# Allegro board A733_PRO2_AXP318_LPDDR4_4X_200BALL_32X1_V1_1.brd (continued)
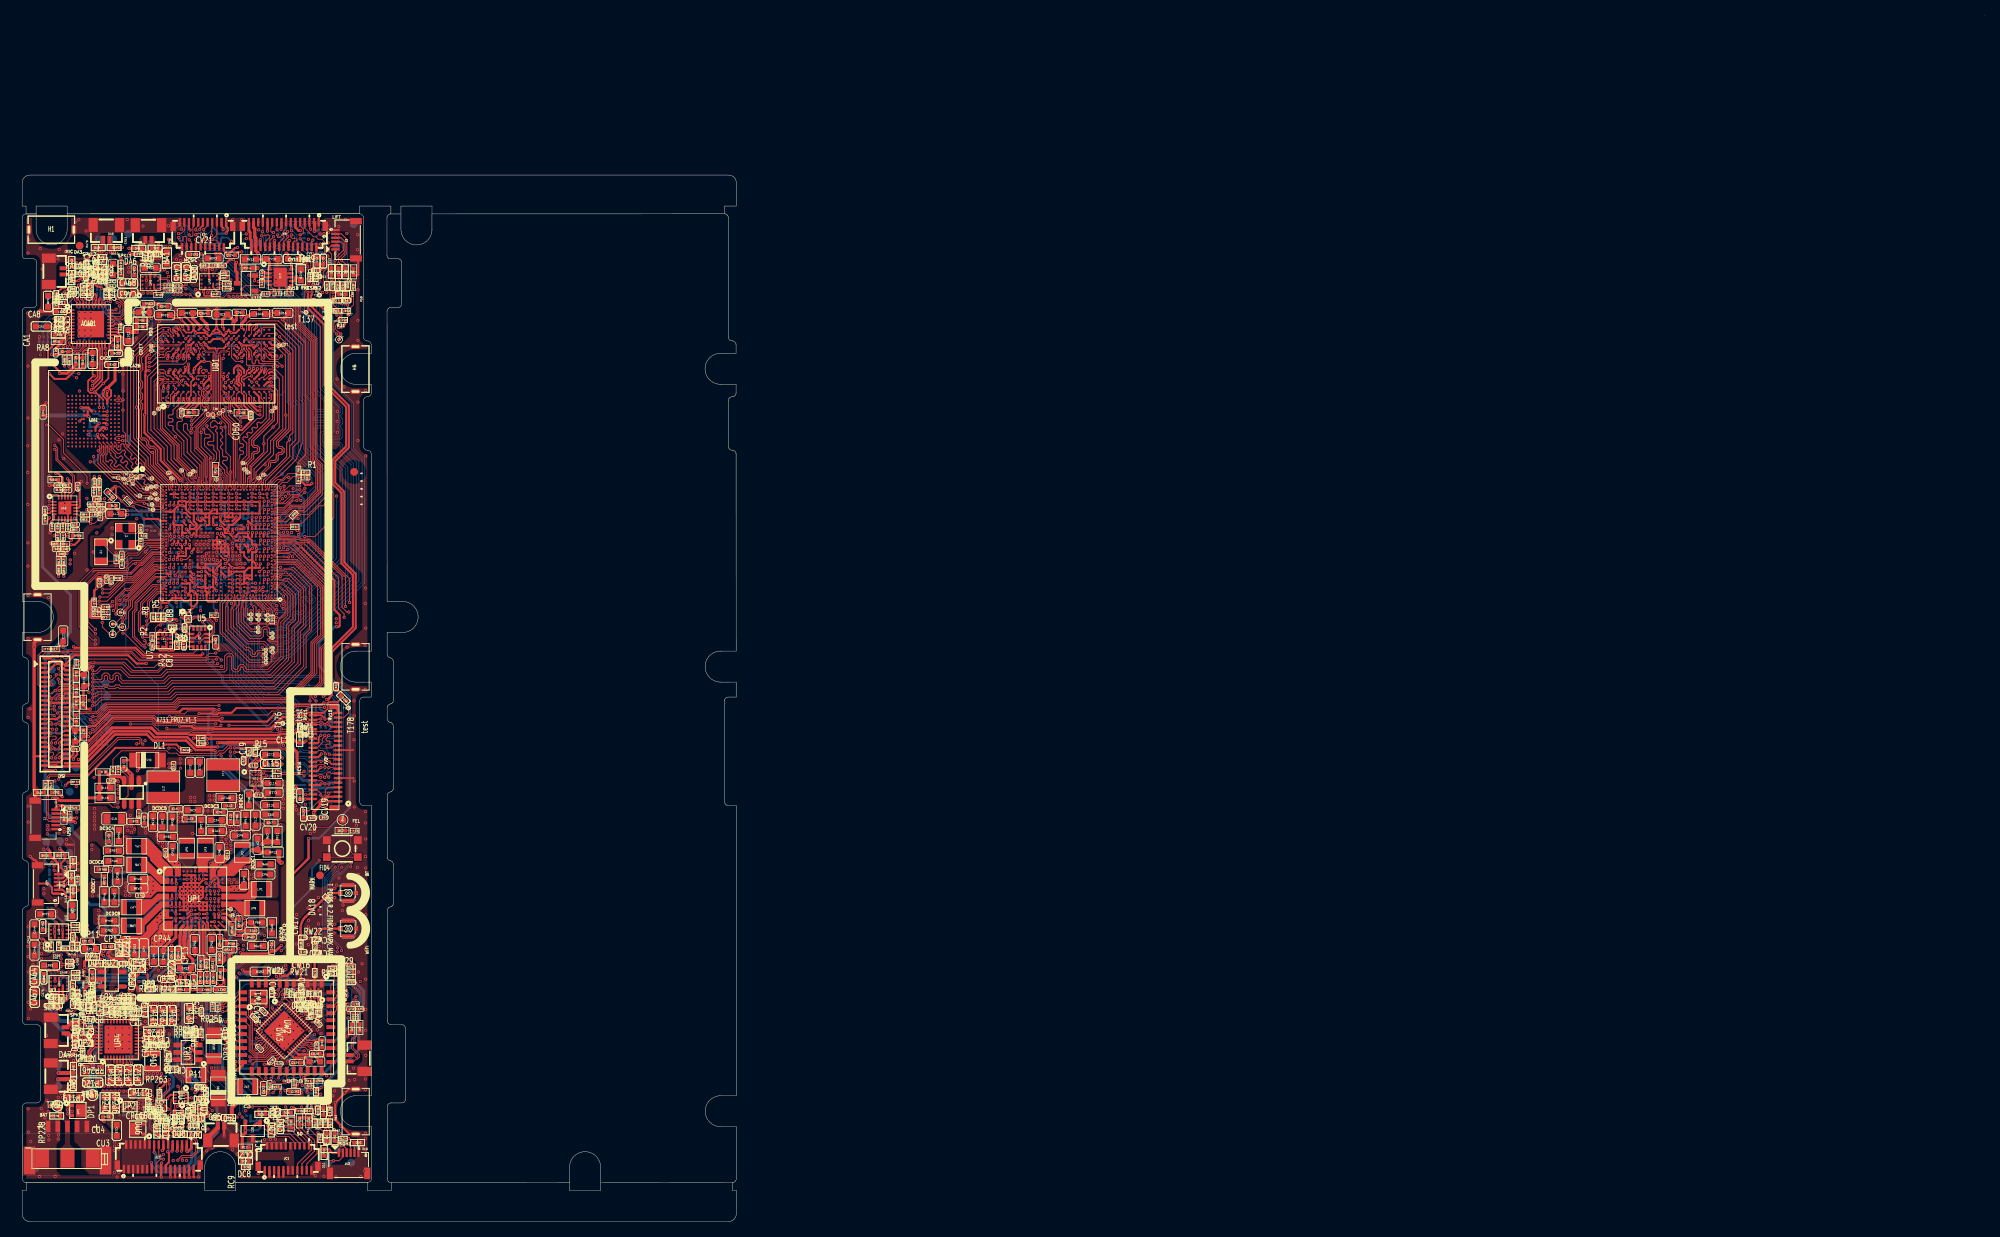
[diagram p0: board, top side]
## Routing (per net, layer and track width the routed paths; a pad name or vN(x,y) marks a point on that pad's centre or on a via; arc(x,y) is an arc through that point) (continued)
  BOTTOM w0.114: TP30.1 38.64,124.73 39.17,125.26 v1(39.45,125.26)
POWKEY-1: length 6.6
  TOP w0.114: J12.2 41.35,8.34 40.86,7.85 40.15,7.85 v1(40.14,7.83) 40.12,7.85 39.57,7.85 D11.2 38.44,8.99 R53.2
  BOTTOM w0.254: v1(40.14,7.83) 39.72,7.42 TP52.1
PS: length 0
  TOP w0.254: 24.83,44.67 UP1.B13
  vias: v1(2.8,42.94) v1(2.8,42.3) v1(7.02,123.72) v1(7.59,123.72) v1(13.53,36.63) v1(13.53,36.1) v1(16.34,43.85) v1(16.31,43.29) v1(16.3,42.72) v1(16.56,42.21) v1(16.89,43.86) v1(16.89,43.29) v1(16.86,42.72) v1(17.42,39.21) v1(17.42,38.61) v1(17.85,39.64) v1(17.93,38.93) v1(18.39,39.82) v1(18.37,39.26) v1(18.42,125.81) v1(19.02,125.79) v1(19.15,46.4) v1(19.67,46.2) v1(19.74,45.68) v1(20.18,46.21) v1(20.28,45.64) v1(21.23,21.39) v1(21.24,20.88) v1(21.21,20.35) v1(21.72,54.72) v1(21.72,54.22) v1(21.75,21.37) v1(21.76,20.87) v1(21.73,20.33) v1(22,37.18) v1(22.25,54.71) v1(22.26,54.16) v1(22.32,37.62) v1(24.24,37.12) v1(24.33,46.19) v1(24.33,45.64) v1(24.76,37.15) v1(24.86,46.37) v1(24.91,45.63) v1(25.31,46) v1(26.11,46.57) v1(26.93,43.11) v1(27.35,42.74) v1(27.67,43.18) v1(27.91,42.74) v1(28.11,123.48) v1(28.28,122.99)
RESET-KEY: length 10.6
  TOP w0.114: R28.2 42.3,121.32 42.3,122.47 42.71,122.88 D4.2 42.14,123.52 41.69,123.52 v1(41.18,124.03) 41.18,124.26 41.86,124.94 41.86,126.72 41.16,127.42 J2.5
  BOTTOM w0.102: TP33.1 41.18,123.1 v1(41.18,124.03)
RESET-KEY-1: length 4.1
  TOP w0.102: R52.2 42.1,10.69 v1(42.11,10.7)
  TOP w0.127: v1(42.11,10.7) 42.64,10.17 D10.2 42.85,10.12 J12.5
  BOTTOM w0.102: v1(42.11,10.7) 42.93,9.88 TP54.1
RTC-VIO: length 4.6
  TOP w0.114: U1.1P23 20.24,88.23 20.24,88.36 v1(20.19,88.41)
  L4 w0.178: v1(17.13,89.11) 17.43,88.81 19.8,88.81 v1(20.19,88.41)
  BOTTOM w0.254: C40.1 17.12,89.12 v1(17.13,89.11)
RTCLDO-BMU: length 2.2
  TOP w0.203: CP129.2 9.08,24.09 UP4.34
  TOP w0.305: RP19.1 8.72,24.46 CP129.2
RTCLDO-PMU: length 6.1
  TOP w0.254: v1(27.74,39.61) 27.96,39.39 CP2.2 27.13,38.98 26.44,39.67 UP1.M15
  BOTTOM w0.305: v1(27.74,39.61) 27.91,39.78 TP56.1 27.91,41.36 RP55.1
SBU2: length 2.4
  TOP w0.254: UU2.A3 UU2.B3 23.25,13.42 DU10.2
  TOP w0.305: DU10.2 23.08,13.03 RU10.1
SCA0-A: length 16.8
  TOP w0.114: v1(23.63,93.46) 23.74,93.35 U1.1AE16 ; UD1.H2 22.75,106.7 23.02,106.43 23.02,104.84 22.82,104.64 22.82,104.23 21.9,103.31 v1(21.83,103.31)
  L4 w0.076: v1(23.63,93.46) 23.3,93.78 23.3,94.29 23.48,94.47
  L4 w0.114: 23.48,94.47 23.82,94.81 23.82,95.37 23.52,95.68 23.52,96.97 21.37,99.12 21.23,99.12 20.99,99.36 20.99,102.55 21.01,102.58 21.01,102.62 21.71,103.31 v1(21.83,103.31)
SCA0-B: length 15.4
  TOP w0.114: UD1.R2 27.3,106.78 26.96,106.43 26.96,106.15 27.07,106.03 27.07,105.25 27.38,104.94 27.38,103.93 v1(28.16,103.15) ; v1(25.63,93.97) 25.74,93.85 U1.1AF12
  L4 w0.114: v1(25.63,93.97) 25.63,93.97 25.63,94.84 25.89,95.11 25.89,96.43 26.08,96.62 26.08,97.73 26.11,97.77 26.11,99.45 27.33,100.66 27.33,101.95 27.74,102.37 27.74,102.78 27.99,103.02 28.04,103.02 v1(28.16,103.15)
SCA1-A: length 16.8
  TOP w0.114: UD1.J2 23.4,106.7 23.71,106.4 23.71,106.14 23.47,105.9 23.47,105.57 23.61,105.43 23.89,105.43 24.07,105.25 24.07,104.9 23.86,104.69 23.75,104.69 23.29,104.23 23.29,104.22 23.13,104.06 23.13,104.04 21.98,102.88 21.92,102.88 v1(21.82,102.78) ; U1.1AF16 23.74,93.85 v1(23.63,93.97)
  L4 w0.114: v1(23.63,93.97) 24.08,94.42 24.08,95.55 23.77,95.85 23.77,97.15 21.41,99.51 21.41,102.37 v1(21.82,102.78)
SCA1-B: length 16.1
  TOP w0.114: U1.1AE12 25.74,93.35 v1(25.63,93.46) ; UD1.P2 26.65,106.64 26.38,106.37 26.38,106.1 26.64,105.84 26.64,104 28.05,102.6 v1(28.17,102.6)
  L4 w0.076: 25.96,94.7 25.96,93.79 v1(25.63,93.46)
  L4 w0.114: 25.96,94.7 26.13,94.87 26.13,96.29 26.31,96.47 26.31,97.44 26.49,97.62 26.49,99.22 27.74,100.48 27.74,101.78 28.17,102.2 v1(28.17,102.6)
SCA2-A: length 25.2
  TOP w0.102: UD1.H9 22.75,112.79 v1(22.47,113.08)
  TOP w0.114: U1.1AB16 23.71,91.85 v1(23.63,91.94)
  L4 w0.076: v1(23.63,91.94) 22.96,92.6 22.96,94.25 22.81,94.41
  L4 w0.114: v1(22.47,113.08) 23.08,112.46 23.08,110.83 22.6,110.35 22.6,109.85 22.33,109.58 22.33,109.15 21.58,108.4 21.58,108.06 21.2,107.68 21.2,105.37 20.12,104.29 20.12,99.34 22.92,96.54 22.92,95.61 22.81,95.5 22.81,94.41
SCA2-B: length 22.8
  TOP w0.102: v1(27.71,112.26) 27.7,112.26 UD1.R9
  TOP w0.114: v1(26.63,93.46) 26.74,93.35 U1.1AE10
  L4 w0.114: v1(27.71,112.26) 28.08,111.89 28.51,111.89 28.75,111.65 28.75,109.39 29.23,108.91 29.23,108.16 30.09,107.31 30.09,106.79 30.37,106.51 30.37,105.49 30.09,105.2 30.09,101.51 29.56,100.98 29.56,99.82 28,98.27 28,96.16 27.24,95.4 27.24,94.08 v1(26.63,93.46)
SCA3-A: length 24.8
  TOP w0.114: v1(23.08,113.13) 23.06,113.15 UD1.H10 ; U1.1AC16 23.72,92.35 v1(23.63,92.45)
  L4 w0.076: 23.13,94.56 23.13,92.94 v1(23.63,92.45)
  L4 w0.114: 23.13,94.56 23.06,94.63 23.06,95.39 23.21,95.54 23.21,96.77 20.54,99.44 20.54,103.91 21.63,105.01 21.63,107.52 21.99,107.87 21.99,108.21 22.01,108.24 22.01,108.24 22.75,108.98 22.75,108.99 22.76,109 22.76,109.41 23.55,110.2 23.56,110.2 23.86,110.5 23.86,111.42 23.67,111.61 23.67,112.47 23.08,113.06 v1(23.08,113.13)
SCA3-B: length 23
  TOP w0.114: U1.1AF10 26.74,93.85 v1(26.63,93.97) ; UD1.R10 27.01,113.16 27.01,111.47 27.52,110.96 v1(28.33,110.96)
  L4 w0.114: v1(26.63,93.97) 26.97,94.31 26.97,95.6 27.67,96.3 27.67,98.6 29.1,100.04 29.1,101.23 29.64,101.77 29.64,107.12 28.82,107.95 28.82,108.74 28.33,109.22 v1(28.33,110.96)
SCA4-A: length 23.2
  TOP w0.102: UD1.H11 v1(23.08,113.93)
  TOP w0.114: v1(24.63,93.46) 25.01,93.46 U1.1AE14
  L4 w0.076: v1(24.63,93.46) 24.97,93.8 24.97,94.18 24.85,94.3
  L4 w0.114: 24.85,94.3 24.59,94.56 24.59,95.75 24.31,96.03 24.31,97.48 23.85,97.94 23.85,101.9 24.24,102.3 24.24,104 24.24,104 24.24,104.42 24.61,104.79 24.61,111.42 24.14,111.9 24.14,113.2 23.83,113.51 23.49,113.51 v1(23.08,113.93)
SCA4-B: length 24.9
  TOP w0.102: v1(26.95,113.84) 26.95,113.9 UD1.R11
  TOP w0.114: v1(26.63,92.45) 26.72,92.35 U1.1AC10
  L4 w0.076: 26.53,94.41 26.29,94.17 26.29,92.78 v1(26.63,92.45)
  L4 w0.114: v1(26.95,113.84) 26.74,113.63 26.74,110.13 28.4,108.48 28.4,107.77 29.17,107 29.17,101.94 28.6,101.37 28.6,100.15 28.58,100.14 28.58,100.13 28.16,99.71 28.16,99.69 27.35,98.88 27.35,96.44 26.69,95.78 26.69,94.57 26.53,94.41
SCA5-A: length 24
  TOP w0.114: v1(24.63,92.45) 24.72,92.35 U1.1AC14 ; UD1.J11 23.75,113.91 v1(23.76,113.91)
  L4 w0.076: 25,94.54 25.12,94.42 25.12,92.94 v1(24.63,92.45)
  L4 w0.114: v1(23.76,113.91) 24.03,113.91 24.56,113.38 24.56,112.19 25.03,111.72 25.03,104.62 24.66,104.24 24.66,101.99 24.38,101.71 24.38,99.11 24.66,98.83 24.66,97.8 24.61,97.76 24.61,96.1 24.87,95.84 24.87,94.67 25,94.54
SCA5-B: length 25.6
  TOP w0.102: v1(26.27,113.88) UD1.P11
  TOP w0.114: U1.1AB10 26.71,91.85 v1(26.63,91.94)
  L4 w0.076: 26.24,94.52 26.11,94.39 26.11,92.45 v1(26.63,91.94)
  L4 w0.114: 26.24,94.52 26.4,94.68 26.4,96.19 26.54,96.33 26.54,97.16 26.87,97.5 26.87,99.01 28.16,100.3 28.16,101.54 28.71,102.08 28.71,106.86 28.05,107.53 28.05,107.56 27.98,107.63 27.98,108.3 26.32,109.96 26.32,112.54 25.96,112.9 25.96,113.3 26.27,113.62 v1(26.27,113.88)
SCKE0-A: length 18.6
  TOP w0.114: v1(21.78,101.77) 21.75,101.77 21.32,102.2 21.32,102.82 21.2,102.93 20.92,102.93 20.81,102.82 20.81,102.06 21.75,101.12 21.75,99.33 23.17,97.9 23.17,95.58 23.11,95.52 23.11,95.07 U1.AU24 ; UD1.J4 23.4,108.55 v1(23.11,108.25)
  L4 w0.114: v1(21.78,101.77) 21.87,101.77 22.43,102.33 22.43,107.55 23.11,108.24 v1(23.11,108.25)
SCKE0-B: length 18.5
  TOP w0.076: 26.41,95.06 26.34,94.99 26.34,94.64 U1.AT16
  TOP w0.114: v1(25.59,103.04) 25.53,102.97 25.23,102.97 24.87,103.33 24.61,103.33 24.29,103 24.29,102.6 24.45,102.44 24.63,102.44 24.82,102.64 25,102.64 25.15,102.49 25.15,102.31 24.95,102.12 24.95,101.94 25.15,101.74 25.15,99.66 25.45,99.36 25.45,97.61 26.11,96.95 26.11,96.52 26.41,96.21 26.41,95.06 ; v1(26.21,108.25) 26.62,108.65 UD1.P4
  L4 w0.114: v1(26.21,108.25) 26,108.25 25.87,108.12 25.87,104.63 26,104.5 26.06,104.5 26.18,104.37 26.18,104.17 26.06,104.04 26,104.04 25.87,103.91 25.87,103.78 25.59,103.5 v1(25.59,103.04)
SCKE1-A: length 18.9
  TOP w0.114: v1(23.41,102.24) 23.53,102.13 23.53,101.69 23.65,101.56 24.11,101.56 24.24,101.43 24.24,101.23 24.11,101.1 23.63,101.1 23.5,100.98 23.5,100.11 24.73,98.89 24.73,98.39 24.32,97.98 24.32,95.06 U1.AU21 ; UD1.J5 23.23,109.45 23.13,109.55 23.13,109.75 23.32,109.94 23.56,109.94 v1(23.72,109.78)
  L4 w0.114: v1(23.72,109.78) 23.13,109.19 23.13,108.9 23.72,108.32 23.72,108.14 23.36,107.78 23.36,102.3 v1(23.41,102.24)
SCKE1-B: length 17.3
  TOP w0.102: v1(26.45,109.04) 26.45,109.25 UD1.P5
  TOP w0.114: v1(25.65,102.46) 25.65,102.34 25.85,102.15 25.85,101.97 25.61,101.73 25.61,101.6 25.85,101.36 25.85,101.18 25.57,100.9 25.57,100.74 25.85,100.46 25.85,100.29 25.57,100.01 25.57,99.83 25.85,99.55 25.85,98.79 25.98,98.66 26.35,98.66 26.47,98.54 26.47,98.33 26.35,98.21 25.98,98.21 25.85,98.08 25.85,97.85 26.41,97.29 26.41,96.64 26.69,96.36 26.69,94.91 U1.AU16
  L4 w0.114: v1(26.45,109.04) 26.59,108.89 26.59,107.18 26.66,107.12 26.66,105.48 26.65,105.48 26.65,104.51 26.64,104.5 26.64,103.8 26.08,103.23 26.08,102.95 25.65,102.53 v1(25.65,102.46)
SCKN-A: length 21.1
  TOP w0.076: 24.87,111.81 24.87,111.83 24.82,111.88 24.82,112.12 24.64,112.31 23.69,112.31 23.57,112.43 23.56,112.43 23.4,112.59 UD1.J9 ; 23.85,96.06 23.85,96.04 23.79,95.99 23.79,95.6 23.93,95.46 23.93,94.7 24.17,94.46 U1.AT22
  TOP w0.127: 24.87,111.81 24.87,104.55 24.51,104.18 ; 24.51,104.18 24.59,104.11 T35.1 ; 24.51,104.18 22.68,102.35 22.68,99.86 23.85,98.69 23.85,96.06
SCKN-B: length 20.4
  TOP w0.076: 27.23,96 27.23,95.99 27.28,95.93 27.28,95.66 27.12,95.5 27.12,95.04 27.22,94.94 27.22,94.71 27.15,94.63 27.15,94.57 U1.AT15 ; 25.29,111.72 25.29,111.74 25.34,111.79 25.34,112.03 25.64,112.33 26.33,112.33 UD1.P9
  TOP w0.127: 25.55,104.4 25.72,104.22 25.72,103.78 26.64,102.87 26.64,101.6 27.23,101.01 27.23,96 ; 25.55,104.4 25.29,104.66 25.29,111.72 ; 25.55,104.4 25.45,104.3 T36.1
SCKP-A: length 21.3
  TOP w0.076: U1.AT23 23.85,94.48 23.85,94.56 23.78,94.64 23.78,95.4 23.64,95.54 23.64,95.99 23.59,96.04 23.59,96.06 ; UD1.J8 23.21,112.05 23.21,112.17 23.32,112.28 23.5,112.28 23.63,112.15 24.58,112.15 24.67,112.06 24.67,111.88 24.62,111.83 24.62,111.81
  TOP w0.127: 24.05,104.08 22.42,102.45 22.42,99.75 23.59,98.59 23.59,96.06 ; 24.05,104.08 23.99,104.13 T38.1 ; 24.05,104.08 24.62,104.65 24.62,111.81
SCKP-B: length 20.5
  TOP w0.076: U1.AT14 27.3,94.48 27.3,94.57 27.37,94.64 27.37,95 27.27,95.1 27.27,95.43 27.43,95.59 27.43,95.93 27.48,95.99 27.48,96 ; 25.55,111.72 25.55,111.74 25.5,111.79 25.5,111.97 25.71,112.18 26.39,112.18 26.5,112.28 26.65,112.28 26.74,112.19 26.74,111.94 UD1.P8
  TOP w0.127: 25.79,104.52 25.55,104.76 25.55,111.72 ; 25.79,104.52 25.98,104.33 25.98,103.88 26.89,102.97 26.89,101.7 27.48,101.11 27.48,96 ; 25.79,104.52 25.91,104.64 T39.1
SCS0-A: length 19.2
  TOP w0.076: 24.56,97.84 24.49,97.77 24.49,95.26 24.82,94.92 24.82,94.71 24.57,94.46 U1.AT21
  TOP w0.114: v1(23.82,102.65) 23.82,102.46 24.71,101.57 24.71,100.76 24.58,100.64 24.05,100.64 23.92,100.51 23.92,100.31 24.05,100.18 24.58,100.18 24.71,100.05 24.71,99.55 25.06,99.2 25.06,98.35 24.56,97.84 ; UD1.H4 22.52,108.65 22.44,108.74 22.44,108.99 22.55,109.1 23.56,109.1 v1(23.62,109.04)
  L4 w0.114: v1(23.62,109.04) 24.2,108.47 24.2,104.97 23.82,104.59 v1(23.82,102.65)
SCS0-B: length 17.4
  TOP w0.102: UD1.R4 26.97,108.33 v1(26.97,108.27)
  TOP w0.114: U1.AU18 25.84,94.86 25.84,95.57 v1(25.5,95.92)
  L4 w0.114: v1(25.5,95.92) 25.13,96.28 25.13,97.23 25.32,97.42 25.32,99.31 25.25,99.38 25.25,100.16 25.59,100.49 25.59,101.87 25.71,101.99 25.93,101.99 26.04,101.88 26.04,101.36 26.13,101.27 26.35,101.27 26.47,101.4 26.47,102.3 26.55,102.37 26.55,103.07 27.37,103.9 27.37,104.65 27.07,104.96 27.07,107.09 27.33,107.34 27.33,107.92 v1(26.97,108.27)
SCS1-A: length 19.3
  TOP w0.114: U1.1AF14 24.74,93.85 v1(24.63,93.97) ; v1(22.94,107.51) 22.75,107.7 UD1.H3
  L4 w0.114: v1(22.94,107.51) 22.94,102.19 22.65,101.9 22.65,101.5 22.84,101.31 23.21,101.31 23.35,101.17 23.35,100.59 23.22,100.46 22.42,100.46 22.3,100.34 22.3,100.13 22.42,100.01 23.22,100.01 23.35,99.88 23.35,99.67 23.22,99.55 22.42,99.55 22.3,99.42 22.3,99.22 22.42,99.09 23.22,99.09 23.35,98.96 23.35,98.03 24.05,97.32 24.05,95.94 24.31,95.69 24.31,94.29 v1(24.63,93.97)
SCS1-B: length 17.7
  TOP w0.076: U1.AT18 26.02,94.64 26.02,95.92 v1(25.51,96.43)
  TOP w0.114: UD1.R3 27.69,107.47 v1(27.69,107.41)
  L4 w0.114: v1(27.69,107.41) 27.69,107.1 27.6,107.02 27.6,106.84 27.71,106.74 28.2,106.74 28.32,106.63 28.32,106.37 28.2,106.26 27.71,106.26 27.6,106.16 27.6,104.94 27.92,104.62 28.21,104.62 28.32,104.52 28.32,104.17 28.24,104.09 27.9,104.09 27.79,103.99 27.79,103.72 26.97,102.9 26.97,102.19 26.91,102.13 26.91,100.93 26.66,100.68 26.48,100.68 26.34,100.83 26.16,100.83 26.01,100.68 26.01,100.5 26.16,100.36 26.16,100.18 25.68,99.7 25.68,97.35 25.86,97.17 25.86,96.78 v1(25.51,96.43)
SD-PWN: length 95.3
  TOP w0.076: U1.AM2 33.64,92.8
  TOP w0.102: 33.64,92.8 33.73,92.8 34.69,93.77 34.8,93.77 34.84,93.81 35.66,93.81 v1(36.46,94.61)
  L3 w0.102: v1(36.46,94.61) 36.91,94.16 36.91,90.09 37.52,89.49 37.52,76.78 35.77,75.03 35.77,70.76 34.55,69.54 34.55,64.72 35.34,63.93 35.34,59.61 34.61,58.89 34.61,57.3 34.45,57.14 34.45,50.77 31.19,47.51 31.19,43.56 30.3,42.67 30.3,39.17 29.45,38.32 29.45,37.1 28.16,35.81 28.16,35.44 v1(27.92,35.2)
  BOTTOM w0.102: v1(27.92,35.2) 27.9,35.2 27.76,35.06 27.76,33.08 26.69,32.02 26.69,30.1 26.22,29.63 24.84,29.63 24.37,29.16 24.37,21.45 24.99,20.83 24.99,19.29 28.46,15.82 28.46,14.14 RC7.1
SDC0-CLK: length 94.3
  TOP w0.102: v1(35.63,88.64) 35.81,88.82 35.81,89.37 35.55,89.62 RC1.2
  TOP w0.114: JC1.18 36.38,10.12 34.78,11.72 33.36,11.72 33.26,11.81 ; v1(33.99,12.29) 33.84,12.14 33.59,12.14 33.26,11.81 ; 33.26,11.81 DC3.2
  L4 w0.114: v1(35.63,88.64) 37.43,86.84 37.43,76.25 36.42,75.23 36.42,70.37 31.81,65.76 31.81,61.02 32.33,60.5 32.33,58.43 34.03,56.73 34.03,52.96 35.75,51.24 35.75,32.25 39.47,28.54 39.47,27.84 39.34,27.71 38.89,27.71 38.77,27.59 38.77,27.38 38.89,27.26 39.34,27.26 39.47,27.13 39.47,26.93 39.34,26.8 38.89,26.8 38.77,26.67 38.77,26.47 38.89,26.34 39.34,26.34 39.47,26.21 39.47,26.01 39.34,25.88 39.02,25.88 38.89,25.76 38.89,25.55 39.02,25.43 39.34,25.43 39.47,25.3 39.47,22.99 35.11,18.63 35.11,13.41 v1(33.99,12.29)
SDC0-CMD: length 96.9
  TOP w0.076: U1.AD2 32.24,89.6 32.48,89.36 33.24,89.36 33.34,89.26
  TOP w0.102: v1(35.48,89.15) 35.22,89.15 35.11,89.26 33.34,89.26
  TOP w0.114: JC1.19 36.68,7.42 38.02,8.75 38.02,10.97 36.96,12.03 DC2.2 36.98,12.55 37.39,12.96 37.39,13.71 37.26,13.84 36.25,13.84 36.02,14.07 RC4.1 36.02,14.75 v1(36.02,14.76)
  L4 w0.114: v1(36.02,14.76) 36.02,14.9 36.39,15.26 36.39,16.8 39.83,20.24 39.83,20.85 39.89,20.91 39.89,28.71 36.17,32.42 36.17,51.43 34.45,53.15 34.45,57.02 32.75,58.72 32.75,60.69 32.23,61.2 32.23,64.22 33.48,65.47 33.48,66.84 36.84,70.19 36.84,75.06 37.85,76.07 37.85,87.44 36.14,89.15 v1(35.48,89.15)
SDC0-D0: length 94.6
  TOP w0.076: U1.AB2 32.24,88.8 32.48,89.04 32.99,89.04 33.44,88.59
  TOP w0.102: 33.44,88.59 34.42,88.59 v1(34.74,88.91)
  TOP w0.114: JC1.14 35.18,10.15 34.37,10.96 32.89,10.96 32.7,11.14 32.35,11.14 DC7.2 31.89,11.39 31.22,12.05 31.22,12.57 31.73,13.08 v1(31.8,13.08)
  L4 w0.114: v1(34.74,88.91) 34.74,88.65 35.24,88.15 35.32,88.15 36.67,86.8 36.67,76.58 35.66,75.56 35.66,70.71 31.05,66.1 31.05,60.68 31.53,60.19 31.53,58 32.74,56.8 32.74,53.11 34.63,51.22 34.63,27.71 31.33,24.41 31.33,23.6 33.66,21.27 33.66,19.84 33.08,19.27 31.57,19.27 30.93,18.63 30.93,15.59 31.8,14.73 v1(31.8,13.08)
SDC0-D1: length 96.9
  TOP w0.114: U1.1U1 31.62,89.75 v1(31.76,89.89) ; JC1.15 35.48,7.42 37.33,9.27 37.33,10.36 37.18,10.5 37.07,10.5 35.17,12.39 35.17,13.52 DC6.2 33.98,14.71 v1(33.98,14.77)
  L4 w0.114: v1(33.98,14.77) 34.45,15.24 34.45,17.02 34.13,17.34 34.13,18.62 34.83,19.32 34.83,20.61 34.38,21.06 34.35,21.06 31.67,23.74 31.67,24.27 34.97,27.57 34.97,51.37 33.09,53.25 33.09,57.07 31.91,58.25 31.91,60.31 31.39,60.83 31.39,65.94 36,70.55 36,75.41 37.02,76.43 37.02,86.77 35.14,88.64 35.14,88.99 34.79,89.34 34.28,89.34 33.72,89.89 v1(31.76,89.89)
SDC0-D2: length 96.5
  TOP w0.114: JC1.16 35.78,10.08 34.56,11.3 33.04,11.3 32.66,11.68 32.66,12.79 31.62,13.83 DC5.2 31.33,14.42 v1(31.35,14.44) ; v1(30.22,88.85) 30.22,88.83 30.12,88.74 U1.1R4
  L4 w0.114: v1(31.35,14.44) 31.35,14.57 30.16,15.76 30.16,18.53 31.24,19.61 32.85,19.61 33.31,20.07 33.31,21.12 30.98,23.45 30.98,24.55 34.28,27.85 34.28,50.87 32.37,52.77 32.37,55.75 30.68,57.44 30.68,58.19 31.03,58.54 31.03,60.2 30.7,60.53 30.7,66.24 35.31,70.85 35.31,75.72 36.32,76.72 36.32,86.18 34.5,88 33.54,88 32.34,89.19 30.56,89.19 v1(30.22,88.85)
SDC0-D3: length 102.6
  TOP w0.114: v1(36.39,12.53) 36.39,12.54 DC4.2 35.77,12.29 37.15,10.91 37.27,10.91 37.68,10.5 37.68,9.13 37.67,9.13 37.67,9.12 37.67,9.12 37.67,9.07 36.08,7.48 JC1.17 ; v1(31.75,88.85) 31.75,88.83 31.62,88.71 U1.1R1
  L4 w0.114: v1(36.39,12.53) 35.59,11.73 31.67,11.73 30.08,13.32 30.08,15.06 29.74,15.4 29.74,19.67 28.56,20.85 28.56,24.37 30.74,26.56 32.37,26.56 32.5,26.56 33.93,27.99 33.93,31.61 33.35,32.19 33.35,33.59 33.88,34.13 33.88,49.82 32.64,51.06 32.64,51.74 32.63,51.74 32.63,51.75 32.01,52.37 32.01,55.61 30.33,57.29 30.33,58.33 30.69,58.69 30.69,60.04 30.32,60.41 30.32,66.36 34.97,71 34.97,75.87 35.97,76.87 35.97,86.24 34.42,87.79 33.32,87.79 32.26,88.85 v1(31.75,88.85)
SDC0-DET: length 89
  TOP w0.102: v1(29.71,14.78) 29.76,14.78 29.81,14.83 31.5,14.83 32.08,14.26 RC6.1
  TOP w0.114: v1(30.73,88.85) 30.73,88.83 30.62,88.73 U1.1R3
  L4 w0.114: v1(30.73,88.85) 31.4,88.19 31.9,88.19 32.65,87.44 34.17,87.44 35.54,86.07 35.54,77.05 34.61,76.12 34.61,71.14 29.9,66.43 29.9,57.23 31.66,55.47 31.66,52.23 32.29,51.6 32.29,50.9 33.35,49.84 33.35,46.8 33.13,46.58 33.13,46.1 33.37,45.86 33.37,37.38 33,37.01 33,32.6 32.41,32.01 32.41,31.19 33.35,30.25 33.35,29.6 33.16,29.4 33.16,28.7 33.2,28.66 33.2,28.36 32.94,28.1 32.94,27.75 32.09,26.9 30.6,26.9 28.42,24.71 28.41,24.71 28.2,24.51 28.2,20.71 29.38,19.53 29.38,15.27 29.71,14.94 v1(29.71,14.78)
SDQ0: length 26
  TOP w0.114: U1.1AF22 20.73,93.85 v1(20.63,93.96) ; v1(16.38,110.3) 16.81,110.3 17.52,111.01 20.01,111.01 20.47,111.47 20.47,112.32 UD1.E9
  L4 w0.114: v1(16.38,110.3) 16.23,110.15 16.21,110.15 15.81,109.74 15.81,104.84 15.41,104.44 15.41,98.09 18.86,94.63 19.81,94.63 20.49,93.96 v1(20.63,93.96)
SDQ1: length 23.8
  TOP w0.076: U1.AU31 20.57,95.26 20.69,95.38 20.69,95.74 20.64,95.8
  TOP w0.114: 20.64,95.8 18.3,98.14 18.3,99.77 16.17,101.89 16.17,109.03 17.76,110.62 20.82,110.62 21.18,110.98 21.18,112.05 21.36,112.23 21.36,112.56 UD1.F9
SDQ2: length 26.7
  TOP w0.114: v1(17.35,113.81) 18.09,114.55 18.56,114.55 UD1.B11 ; U1.1AC20 21.74,92.35 v1(21.63,92.47)
  L4 w0.076: v1(21.63,92.47) 21.11,92.99 21.11,94.22 20.66,94.66
  L4 w0.114: v1(17.35,113.81) 17.35,113.14 17.16,112.94 17.16,108.84 16.66,108.34 16.66,103.79 16.96,103.49 16.96,100.68 16.4,100.13 16.4,98.85 19.63,95.62 19.63,95.47 20.45,94.66 20.66,94.66
SDQ3: length 25.9
  TOP w0.114: UD1.C9 19.09,112.24 18.73,112.24 18.54,112.05 18.54,111.75 18.27,111.48 17.29,111.48 16.64,110.83 v1(16.39,110.83) ; v1(20.62,93.45) 20.73,93.35 U1.1AE22
  L4 w0.114: v1(20.62,93.45) 20.62,93.48 19.77,94.34 18.48,94.34 14.98,97.84 14.98,104.6 15.38,105 15.38,110.27 15.94,110.83 v1(16.39,110.83)
SDQ4: length 27.1
  TOP w0.114: U1.AT35 18.87,94.51 18.87,94.94 16.25,97.56 16.25,98.56 13.96,100.85 13.96,111.75 14.03,111.81 14.03,111.81 16.93,114.71 18.12,115.36 18.95,115.36 19.12,115.18 19.12,114.88 19.5,114.5 UD1.C11
SDQ5: length 28.9
  TOP w0.114: UD1.E11 20.45,114.91 20.45,115.16 20.27,115.33 20.27,115.49 20.02,115.74 18.05,115.74 16.58,114.98 13.61,112 13.61,111.99 13.55,111.92 13.55,100.67 15.96,98.26 15.96,97.43 18.57,94.82 U1.AU36
SDQ6: length 26.5
  TOP w0.114: v1(16.39,111.35) 16.54,111.35 17.39,112.2 18.2,112.2 18.65,112.65 UD1.B9 ; U1.1AB20 21.73,91.85 v1(21.63,91.96)
  L4 w0.076: 20.72,94.33 20.94,94.11 20.94,92.64 v1(21.63,91.96)
  L4 w0.114: 20.72,94.33 20.45,94.33 19.85,94.93 19.2,94.93 15.88,98.25 15.88,103.6 16.25,103.96 16.25,108.52 16.78,109.05 16.78,111.23 16.65,111.35 v1(16.39,111.35)
SDQ7: length 29.1
  TOP w0.114: U1.1AE24 v1(19.63,93.48) ; UD1.F11 v1(21.09,113.91)
  L4 w0.114: v1(19.63,93.48) 18.33,93.95 14.57,97.72 14.49,98.01 14.32,102.05 14.32,109.38 14.41,110.41 14.69,110.86 16.86,113.8 17.26,114.2 19.9,114.2 20.97,114.06 v1(21.09,113.91)
SDQ8: length 17.7
  TOP w0.114: v1(22.63,93.97) 22.74,93.85 U1.1AF18 ; UD1.E4 20.75,108.65 v1(20.54,108.44)
  L4 w0.114: v1(20.54,108.44) 20.54,106.9 19.86,106.22 19.6,106.22 19.18,105.81 19.18,105.79 19.1,105.71 19.1,105.27 19.31,105.06 19.31,99.64 22.63,96.32 22.63,95.74 22.51,95.62 22.51,94.09 v1(22.63,93.97)
SDQ9: length 15.4
  TOP w0.114: U1.AU25 22.92,94.86 22.92,97.6 21.28,99.24 21.28,100.91 19.96,102.23 19.96,103.04 20.13,103.21 20.52,103.21 20.64,103.33 20.64,103.54 20.52,103.66 20.1,103.66 19.96,103.8 19.96,104.66 20.5,105.2 20.8,105.2 21.26,105.66 21.26,105.99 21.16,106.09 21.16,106.76 UD1.F2
SDQ10: length 16
  TOP w0.114: v1(18.76,105.13) 19.13,105.5 19.13,106.65 19.5,107.02 UD1.C2 ; v1(22.63,93.46) 22.74,93.35 U1.1AE18
  L4 w0.076: 22.14,95.53 22.25,95.42 22.25,93.84 v1(22.63,93.46)
  L4 w0.114: v1(18.76,105.13) 18.89,105 18.89,99.47 21.74,96.62 21.74,95.93 22.14,95.53
SDQ11: length 16.5
  TOP w0.076: U1.AT25 22.74,94.64 22.74,96.03 22.56,96.21
  TOP w0.114: 22.56,96.21 22.56,97.28 20.85,98.99 20.85,100.71 19.46,102.1 19.46,102.57 19.33,102.7 18.95,102.7 18.84,102.81 18.84,103.04 18.95,103.16 19.33,103.16 19.44,103.27 19.44,103.5 19.33,103.61 18.95,103.61 18.84,103.73 18.84,103.96 18.95,104.07 19.33,104.07 19.46,104.2 19.46,104.69 20.46,105.69 20.46,106.71 UD1.E2
SDQ12: length 21.1
  TOP w0.114: U1.1AE20 21.76,93.35 v1(21.63,93.48) ; UD1.F4 21.03,109.07 v1(20.42,109.07)
  L4 w0.076: v1(21.63,93.48) 21.28,93.82 21.28,94.31 20.59,95 20.43,95
  L4 w0.114: 20.43,95 19.99,95.44 19.99,96.45 17.45,98.99 17.45,107.38 18.28,108.21 19.55,108.21 v1(20.42,109.07)
SDQ13: length 18.2
  TOP w0.076: U1.AT29 21.52,94.55 21.52,95.29 21.13,95.68 21.13,95.88
  TOP w0.114: 21.13,95.88 20.9,96.11 20.9,96.56 T8.1 19.2,98.26 19.2,100.11 17.02,102.29 T3.1 17.02,108.4 17.69,109.07 18.21,109.07 18.62,108.65 UD1.B4
SDQ14: length 17.4
  TOP w0.114: UD1.B2 18.85,106.68 18.54,106.37 18.54,105.91 v1(18.75,105.7) ; v1(22.63,92.45) 22.72,92.35 U1.1AC18
  L4 w0.076: 21.97,94.48 21.97,93.1 v1(22.63,92.45)
  L4 w0.114: v1(18.75,105.7) 18.64,105.7 18.29,105.36 18.29,99.44 21.31,96.43 21.31,95.63 21.54,95.4 21.54,94.91 21.97,94.48
SDQ15: length 19.9
  TOP w0.076: 20.7,96.28 20.7,96.03 20.85,95.88 20.85,94.92 U1.AU30
  TOP w0.114: 20.7,96.28 18.71,98.26 18.71,100 16.59,102.12 16.59,108.84 17.66,109.9 18.22,109.9 18.49,109.63 18.49,109.32 18.71,109.1 19.05,109.1 UD1.C4
SDQ16: length 16.7
  TOP w0.114: U1.1AE8 27.74,93.35 v1(27.63,93.46) ; UD1.V2 29.25,106.72 29.59,106.38 29.59,105.73 30.19,105.13 v1(30.69,105.13)
  L4 w0.114: v1(30.69,105.13) 31.16,104.65 31.16,104.09 31.14,104.07 31.14,101.09 30.63,100.57 30.63,98.68 28.61,96.65 28.61,95.24 27.99,94.62 27.99,93.83 v1(27.63,93.46)
SDQ17: length 15.5
  TOP w0.076: U1.AU13 27.77,94.81 27.95,94.98 27.95,98.35 28.05,98.45
  TOP w0.114: 28.05,98.45 28.05,98.85 28.18,98.98 28.42,98.98 28.54,99.1 28.54,99.31 28.42,99.43 28.18,99.43 28.05,99.56 28.05,99.76 28.18,99.89 28.42,99.89 28.54,100.02 28.54,100.22 28.42,100.35 28.18,100.35 28.05,100.48 28.05,101.36 30.3,103.61 30.75,103.61 31.09,103.94 31.09,105.93 30.82,106.2 30.82,106.79 UD1.Y2
SDQ18: length 16
  TOP w0.076: U1.AU12 28.11,94.87 28.11,97.98 28.23,98.11
  TOP w0.114: 28.23,98.11 28.96,98.84 28.96,100.41 28.47,100.9 28.47,101.15 28.55,101.24 28.78,101.24 28.86,101.15 29.02,101.15 29.09,101.22 29.09,101.4 28.98,101.5 28.98,101.68 29.13,101.83 29.31,101.83 29.39,101.74 29.57,101.74 29.72,101.88 29.72,102.06 29.63,102.15 29.63,102.33 29.77,102.47 29.95,102.47 30.04,102.38 30.22,102.38 30.36,102.53 30.36,102.71 30.28,102.8 30.28,102.97 30.42,103.12 30.6,103.12 30.69,103.03 30.87,103.03 31.47,103.64 31.47,106.79 UD1.AA2
SDQ19: length 16.4
  TOP w0.114: U1.1AF8 27.74,93.85 v1(27.63,93.97) ; v1(30.65,104.08) 30.34,104.08 28.94,105.49 28.94,106.72 UD1.U2
  L4 w0.114: v1(30.65,104.08) 30.65,101.29 30.41,101.05 30.04,100.68 30.04,98.68 29.59,98.23 29.42,98.23 29.31,98.34 29.15,98.34 28.99,98.18 28.99,98.02 29.1,97.91 29.1,97.75 28.33,96.98 28.33,95.44 27.63,94.73 v1(27.63,93.97)
SDQ20: length 17.9
  TOP w0.076: U1.AU9 29.27,94.9 29.27,95.51
  TOP w0.114: UD1.AA4 31.38,108.65 31.91,109.19 32.69,109.19 33.15,108.73 33.15,102.41 31.6,100.87 31.6,99.39 29.59,97.37 29.59,95.83 29.27,95.51
SDQ21: length 21.2
  TOP w0.114: v1(27.63,91.94) 27.71,91.85 U1.1AB8 ; UD1.V4 v1(29.61,108.29)
  L4 w0.114: v1(29.61,108.29) 30.01,108.69 30.04,108.69 30.04,108.69 30.43,108.69 31.06,108.07 31.06,107.08 31.99,106.15 31.99,98.83 29.61,96.45 29.61,95.83 29.18,95.4 29.18,94.93 28.6,94.35 28.6,93.46 28.29,93.15 28.29,92.6 v1(27.63,91.94)
